# KiCad board AMC_FMC_Carrier-PcbDoc.kicad_pcb (continued)
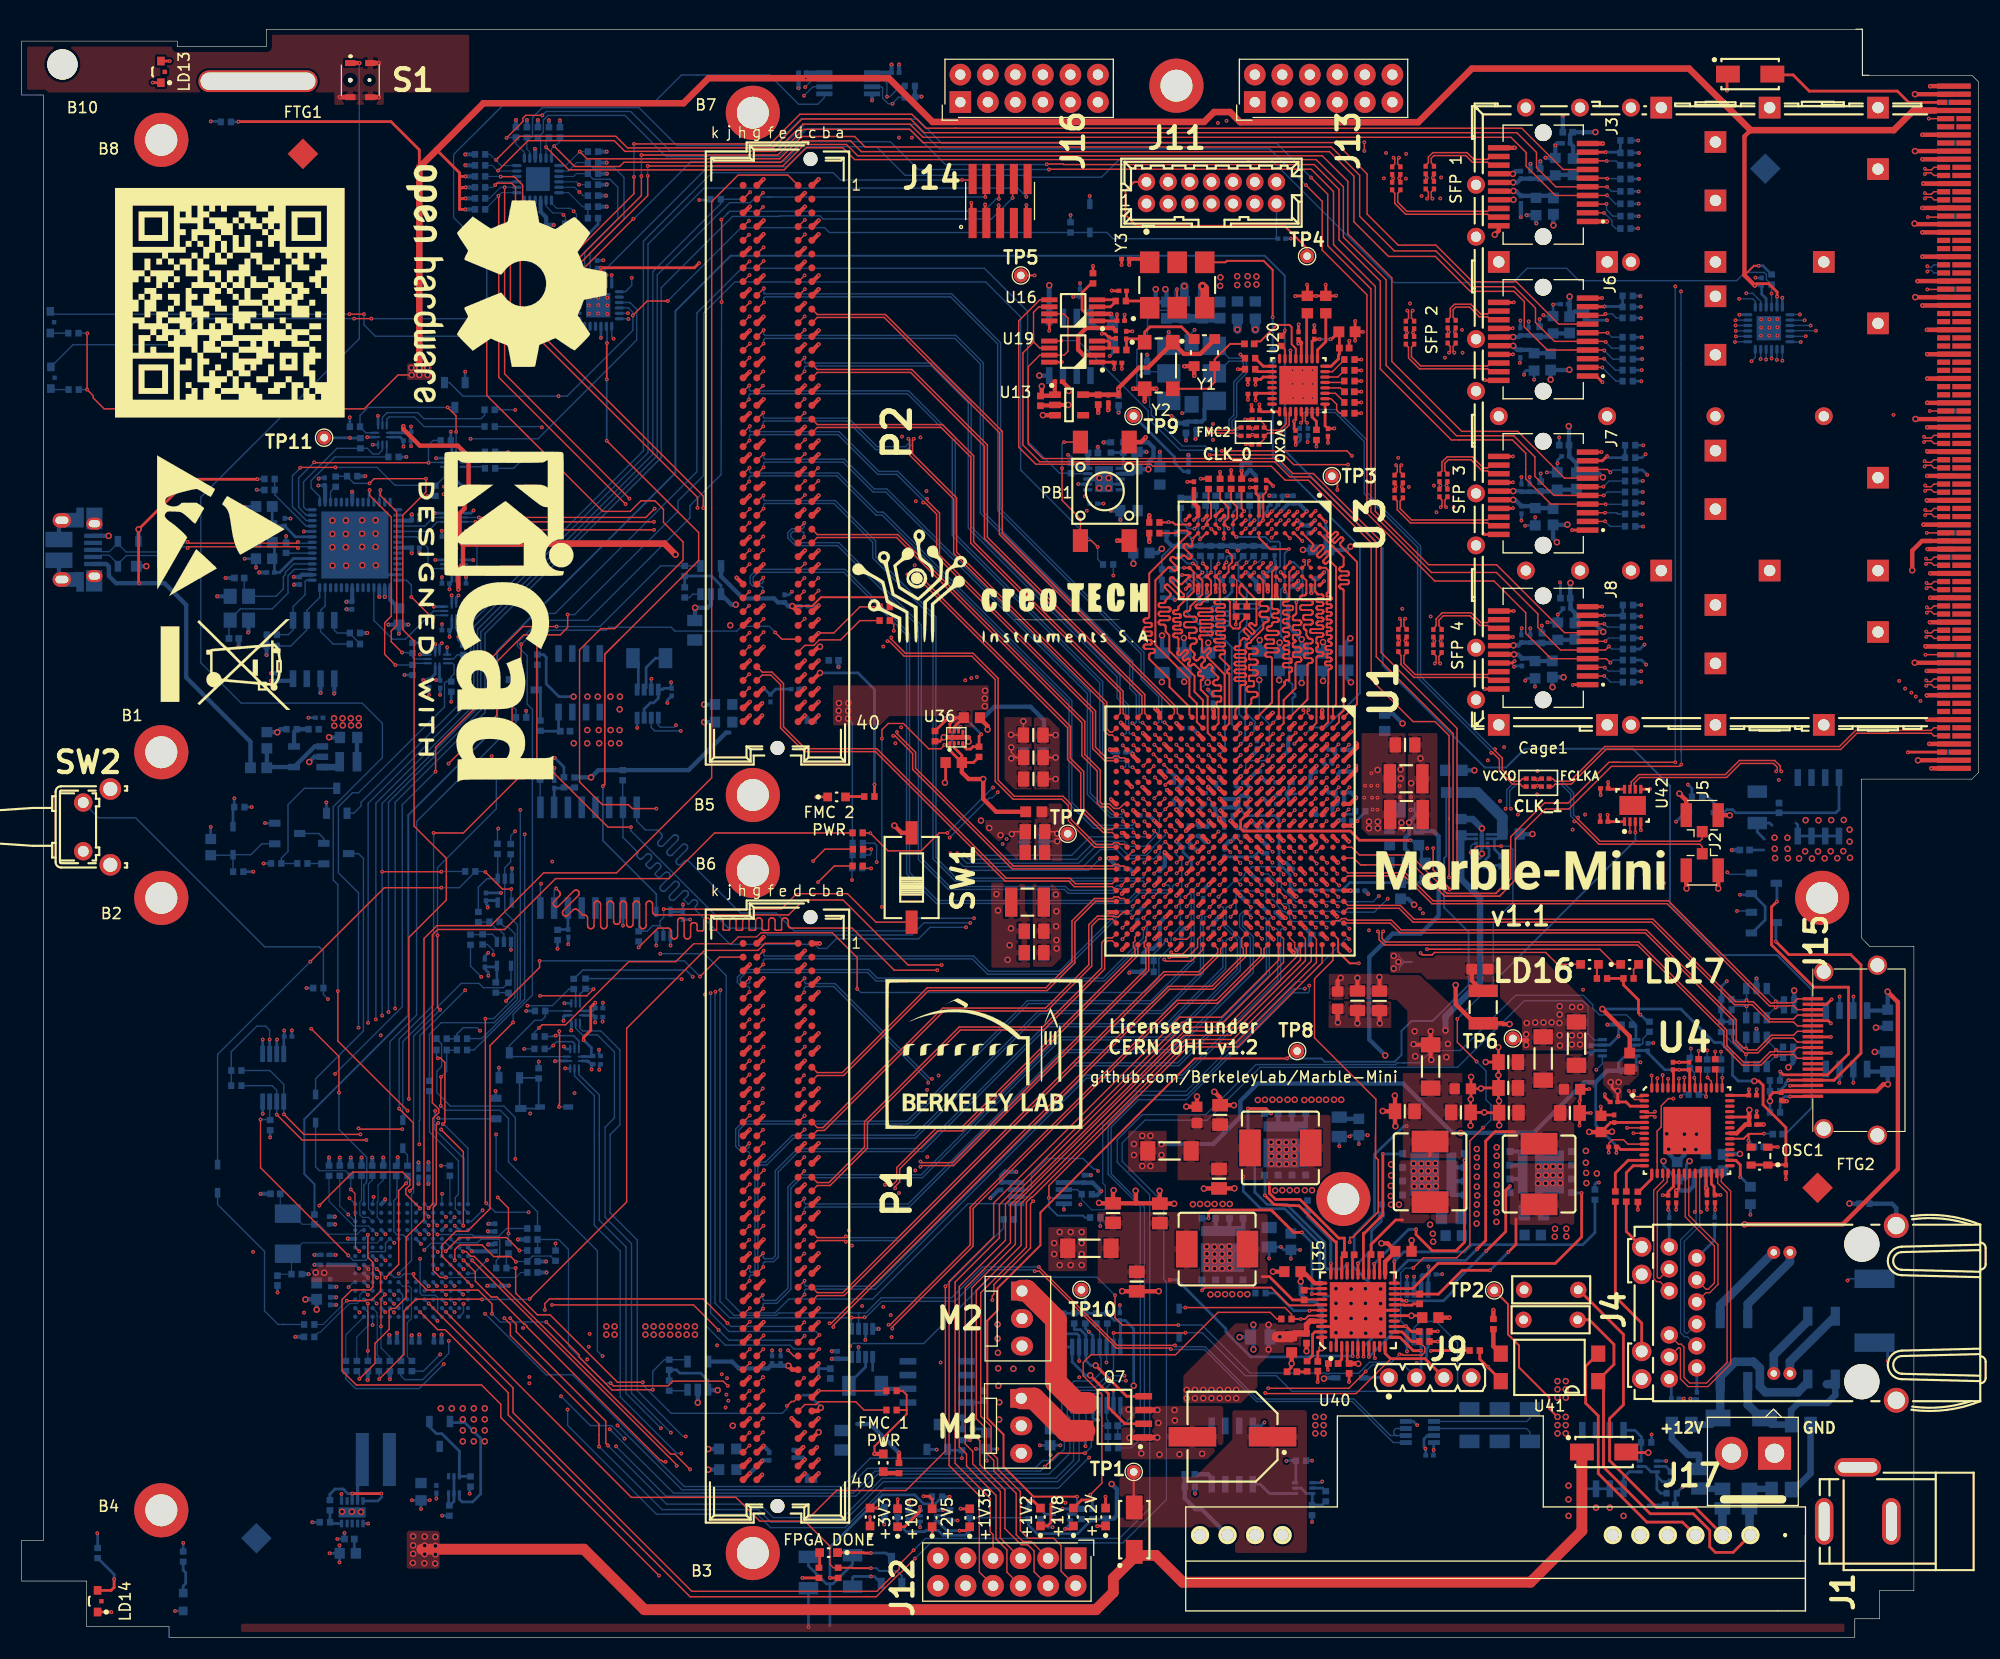
[diagram p0: board, top side]
## Routing (per net, layer and track width the routed paths; a pad name or vN(x,y) marks a point on that pad's centre or on a via; arc(x,y) is an arc through that point) (continued)
/SDRAM/DDR3_BA2: length 28.7
  Top w0.178: v1(110.95,101.46) 110.99,101.5 U3.M3 ; v1(109.57,82.44) 110.03,81.98 U1.N4
  In5.Cu w0.118: v1(109.57,82.44) 108.94,83.07 108.94,87.7 108.94,87.76 108.92,87.81 108.89,87.86 108.85,87.9 108.8,87.93 108.75,87.95 108.64,87.96 108.59,87.98 108.54,88.01 108.5,88.05 108.47,88.09 108.45,88.15 108.44,88.2 108.44,88.3 108.45,88.36 108.47,88.41 108.5,88.46 108.54,88.5 108.59,88.53 108.64,88.55 108.69,88.55 109.14,88.55 109.19,88.56 109.23,88.57 109.27,88.6 109.3,88.63 109.32,88.66 109.34,88.71 109.34,88.75 109.34,88.95 109.34,89 109.32,89.04 109.3,89.08 109.27,89.11 109.23,89.13 109.19,89.15 109.14,89.15 108.69,89.15 108.64,89.16 108.59,89.18 108.54,89.21 108.5,89.25 108.47,89.29 108.45,89.35 108.44,89.4 108.44,89.5 108.45,89.56 108.47,89.61 108.5,89.66 108.54,89.7 108.59,89.73 108.64,89.75 108.69,89.75 109.44,89.75 109.51,89.76 109.57,89.78 109.63,89.82 109.68,89.86 109.71,89.92 109.73,89.98 109.74,90.05 109.73,90.12 109.71,90.18 109.68,90.24 109.63,90.29 109.57,90.32 109.51,90.34 109.44,90.35 108.94,90.35 108.69,90.35 108.64,90.36 108.59,90.38 108.54,90.41 108.5,90.45 108.47,90.49 108.45,90.55 108.44,90.6 108.44,90.7 108.45,90.76 108.47,90.81 108.5,90.86 108.54,90.9 108.59,90.93 108.64,90.95 108.75,90.96 108.8,90.98 108.85,91.01 108.89,91.05 108.92,91.09 108.94,91.15 108.94,91.2 108.94,96.82 110.13,98 110.13,100.65 v1(110.95,101.46)
  Bottom w0.178: 110.95,101.71 v1(110.95,101.46) 110.95,102.07 110.98,102.1 110.98,103.25 111.35,103.62 111.35,104.29
/SDRAM/DDR3_DQ0: length 23.4
  Top w0.178: v1(116.41,83.4) 116.03,83.02 U1.G3 ; U3.E3 v1(117.07,101.49)
  In5.Cu w0.118: v1(116.41,83.4) 116.41,85.69 118.65,87.93 118.65,89.43 118.65,89.48 118.67,89.52 118.69,89.56 118.72,89.59 118.76,89.61 118.8,89.63 118.85,89.63 118.98,89.63 119.02,89.64 119.07,89.65 119.1,89.68 119.13,89.71 119.16,89.75 119.17,89.79 119.18,89.83 119.17,89.88 119.16,89.92 119.13,89.96 119.1,89.99 119.07,90.01 119.02,90.03 118.98,90.03 118.32,90.03 118.28,90.04 118.23,90.05 118.2,90.08 118.16,90.11 118.14,90.15 118.13,90.19 118.12,90.23 118.13,90.28 118.14,90.32 118.16,90.36 118.2,90.39 118.23,90.41 118.28,90.43 118.32,90.43 118.98,90.43 119.02,90.44 119.07,90.45 119.1,90.48 119.13,90.51 119.16,90.55 119.17,90.59 119.18,90.63 119.17,90.68 119.16,90.72 119.13,90.76 119.1,90.79 119.07,90.81 119.02,90.83 118.98,90.83 118.85,90.83 118.8,90.84 118.76,90.85 118.72,90.88 118.69,90.91 118.67,90.95 118.65,90.99 118.65,91.03 118.65,98.39 117.53,99.51 117.53,101 117.12,101.41 117.07,101.41
/SDRAM/DDR3_DQ1: length 22.7
  Top w0.178: U3.F7 115.4,98.38 115.4,95.15 115.41,95.11 115.42,95.06 115.45,95.03 115.48,94.99 115.52,94.97 115.56,94.96 115.6,94.95 115.83,94.95 115.88,94.94 115.92,94.93 115.96,94.91 115.99,94.87 116.01,94.84 116.03,94.79 116.03,94.75 116.03,94.71 116.01,94.66 115.99,94.63 115.96,94.59 115.92,94.57 115.88,94.56 115.83,94.55 115.6,94.55 115.56,94.54 115.52,94.53 115.48,94.51 115.45,94.47 115.42,94.44 115.41,94.39 115.4,94.35 115.41,94.31 115.42,94.26 115.45,94.23 115.48,94.19 115.52,94.17 115.56,94.16 115.6,94.15 115.83,94.15 115.88,94.14 115.92,94.13 115.96,94.11 115.99,94.07 116.01,94.04 116.03,93.99 116.03,93.95 116.03,93.91 116.01,93.86 115.99,93.83 115.96,93.79 115.92,93.77 115.88,93.76 115.83,93.75 115.6,93.75 115.56,93.74 115.52,93.73 115.48,93.71 115.45,93.67 115.42,93.64 115.41,93.59 115.4,93.51 115.38,93.46 115.36,93.43 115.33,93.39 115.29,93.37 115.25,93.36 115.2,93.35 115.12,93.35 115.08,93.34 115.03,93.33 115,93.31 114.97,93.27 114.94,93.24 114.93,93.19 114.92,93.15 114.93,93.11 114.94,93.06 114.97,93.03 115,92.99 115.03,92.97 115.08,92.96 115.12,92.95 115.83,92.95 115.88,92.94 115.92,92.93 115.96,92.91 115.99,92.87 116.01,92.84 116.03,92.79 116.03,92.75 116.03,92.71 116.01,92.66 115.99,92.63 115.96,92.59 115.92,92.57 115.88,92.56 115.83,92.55 114.97,92.55 114.93,92.54 114.88,92.53 114.85,92.51 114.82,92.47 114.79,92.44 114.78,92.39 114.77,92.35 114.78,92.31 114.79,92.26 114.82,92.23 114.85,92.19 114.88,92.17 114.93,92.16 114.97,92.15 115.49,92.15 115.51,92.15 115.53,92.14 115.55,92.13 115.56,92.12 115.57,92.1 115.58,92.08 115.58,92.06 115.58,91.84 115.58,91.82 115.57,91.8 115.56,91.78 115.55,91.77 115.53,91.76 115.51,91.75 115.49,91.75 114.97,91.75 114.93,91.74 114.88,91.73 114.85,91.71 114.82,91.67 114.79,91.64 114.78,91.59 114.77,91.55 114.78,91.51 114.79,91.46 114.82,91.43 114.85,91.39 114.88,91.37 114.93,91.36 114.97,91.35 115.83,91.35 115.88,91.34 115.92,91.33 115.96,91.31 115.99,91.27 116.01,91.24 116.03,91.19 116.03,91.15 116.03,91.11 116.01,91.06 115.99,91.03 115.96,90.99 115.92,90.97 115.88,90.96 115.83,90.95 114.97,90.95 114.93,90.94 114.88,90.93 114.85,90.91 114.82,90.87 114.79,90.84 114.78,90.79 114.77,90.75 114.78,90.71 114.79,90.66 114.82,90.63 114.85,90.59 114.88,90.57 114.93,90.56 114.97,90.55 115.2,90.55 115.25,90.54 115.29,90.53 115.33,90.51 115.36,90.47 115.38,90.44 115.4,90.39 115.4,90.35 115.4,86.33 U1.J1
/SDRAM/DDR3_DQ2: length 22.7
  Top w0.178: v1(115.49,82.46) 115.03,82 U1.H4 ; U3.F2 115.81,102.77 v1(116.2,103.16)
  In2.Cu w0.118: v1(115.49,82.46) 116,82.97 116,87.78 115.47,88.31 115.47,98.89 116.2,99.63 v1(116.2,103.16)
/SDRAM/DDR3_DQ3: length 22.7
  Top w0.178: v1(116.15,97.6) 115.79,97.96 U3.F8 ; U1.H5 115.03,80.96 v1(115.49,81.42)
  In5.Cu w0.118: v1(116.15,97.6) 116.15,96.16 116.18,96.13 116.18,93.7 115.01,92.53 115.01,89.07 115.01,89.03 115.03,89 115.04,88.97 115.07,88.95 115.1,88.93 115.13,88.92 115.16,88.92 115.48,88.92 115.52,88.91 115.55,88.9 115.58,88.88 115.6,88.86 115.62,88.83 115.63,88.8 115.63,88.77 115.63,88.73 115.62,88.7 115.6,88.67 115.58,88.65 115.55,88.63 115.52,88.62 115.48,88.62 114.87,88.62 114.84,88.61 114.81,88.6 114.79,88.59 114.77,88.57 114.75,88.54 114.74,88.51 114.74,88.48 114.74,88.45 114.74,88.42 114.75,88.39 114.77,88.37 114.79,88.35 114.81,88.33 114.84,88.32 114.87,88.32 115.43,88.32 115.47,88.31 115.5,88.3 115.53,88.28 115.55,88.26 115.57,88.23 115.58,88.2 115.58,88.17 115.58,88.13 115.57,88.1 115.55,88.07 115.53,88.05 115.5,88.03 115.47,88.02 115.43,88.02 114.54,88.02 114.5,88.01 114.47,88 114.44,87.98 114.42,87.96 114.4,87.93 114.39,87.9 114.39,87.87 114.39,87.83 114.4,87.8 114.42,87.77 114.44,87.75 114.47,87.73 114.5,87.72 114.54,87.72 115.48,87.72 115.52,87.71 115.55,87.7 115.58,87.68 115.6,87.66 115.62,87.63 115.63,87.6 115.63,87.57 115.63,87.53 115.62,87.5 115.6,87.47 115.58,87.45 115.55,87.43 115.52,87.42 115.48,87.42 115.16,87.42 115.13,87.41 115.1,87.4 115.07,87.38 115.04,87.36 115.03,87.33 115.01,87.3 115.01,87.27 115.01,82.45 115.49,81.97 v1(115.49,81.42)
/SDRAM/DDR3_DQ4: length 22.8
  Top w0.178: v1(115.52,84.47) 115.52,84.45 U1.H2 ; U3.H3 114.19,101.54 115.24,100.49 v1(116.96,100.49)
  Bottom w0.178: v1(115.52,84.47) 115.98,84.92 117.04,84.92 117.3,85.18 117.3,86.68 117.3,86.71 117.31,86.73 117.33,86.76 117.35,86.78 117.37,86.8 117.4,86.81 117.46,86.81 117.48,86.82 117.51,86.84 117.53,86.86 117.55,86.88 117.56,86.91 117.56,86.94 117.56,87.03 117.56,87.06 117.55,87.09 117.53,87.11 117.51,87.14 117.48,87.15 117.46,87.16 117.4,87.17 117.37,87.18 117.35,87.19 117.33,87.21 117.31,87.24 117.3,87.27 117.3,87.3 117.3,87.99 116.99,88.3 116.99,91.7 116.21,92.48 116.21,96.75 116.57,97.1 116.57,100.1 v1(116.96,100.49)
/SDRAM/DDR3_DQ5: length 22.7
  Top w0.178: U1.K1 113.03,85.79 113.49,86.26 113.49,86.56 113.5,86.62 113.52,86.67 113.55,86.72 113.59,86.76 113.63,86.79 113.69,86.81 113.74,86.81 113.84,86.81 113.89,86.82 113.95,86.84 113.99,86.87 114.03,86.91 114.06,86.96 114.08,87.01 114.09,87.06 114.08,87.12 114.06,87.17 114.03,87.22 113.99,87.26 113.95,87.29 113.89,87.31 113.84,87.31 113.27,87.31 113.22,87.32 113.17,87.34 113.13,87.36 113.09,87.4 113.07,87.44 113.05,87.49 113.04,87.54 113.04,87.59 113.05,87.64 113.07,87.69 113.09,87.73 113.13,87.77 113.17,87.79 113.22,87.81 113.27,87.81 113.62,87.81 113.64,87.82 113.67,87.83 113.69,87.84 113.71,87.86 113.73,87.88 113.74,87.91 113.74,87.94 113.74,88.19 113.74,88.22 113.73,88.24 113.71,88.27 113.69,88.29 113.67,88.3 113.64,88.31 113.62,88.31 113.39,88.31 113.37,88.32 113.35,88.32 113.33,88.34 113.32,88.35 113.3,88.37 113.3,88.39 113.29,88.41 113.29,88.72 113.3,88.74 113.3,88.76 113.32,88.78 113.33,88.79 113.35,88.8 113.37,88.81 113.39,88.81 113.84,88.81 113.89,88.82 113.95,88.84 113.99,88.87 114.03,88.91 114.06,88.96 114.08,89.01 114.09,89.06 114.08,89.12 114.06,89.17 114.03,89.22 113.99,89.26 113.95,89.29 113.89,89.31 113.84,89.31 113.39,89.31 113.37,89.32 113.35,89.32 113.33,89.34 113.32,89.35 113.3,89.37 113.3,89.39 113.29,89.41 113.29,89.72 113.3,89.74 113.3,89.76 113.32,89.78 113.33,89.79 113.35,89.8 113.37,89.81 113.39,89.81 113.84,89.81 113.89,89.82 113.95,89.84 113.99,89.87 114.03,89.91 114.06,89.96 114.08,90.01 114.09,90.06 114.08,90.12 114.06,90.17 114.03,90.22 113.99,90.26 113.95,90.29 113.89,90.31 113.84,90.31 113.39,90.31 113.37,90.32 113.35,90.32 113.33,90.34 113.32,90.35 113.3,90.37 113.3,90.39 113.29,90.41 113.29,90.72 113.3,90.74 113.3,90.76 113.32,90.78 113.33,90.79 113.35,90.8 113.37,90.81 113.39,90.81 113.84,90.81 113.89,90.82 113.95,90.84 113.99,90.87 114.03,90.91 114.06,90.96 114.08,91.01 114.09,91.06 114.08,91.12 114.06,91.17 114.03,91.22 113.99,91.26 113.95,91.29 113.89,91.31 113.84,91.31 113.49,91.31 113.49,91.32 113.27,91.32 113.22,91.32 113.17,91.34 113.13,91.36 113.09,91.4 113.07,91.44 113.05,91.49 113.04,91.54 113.04,91.59 113.05,91.64 113.07,91.69 113.09,91.73 113.13,91.77 113.17,91.79 113.22,91.81 113.32,91.82 113.36,91.84 113.41,91.86 113.44,91.9 113.47,91.94 113.49,91.99 113.49,92.04 114.6,93.15 114.6,93.49 114.61,93.54 114.63,93.59 114.66,93.64 114.7,93.68 114.74,93.71 114.8,93.73 114.91,93.74 114.96,93.76 115.01,93.79 115.05,93.83 115.07,93.88 115.09,93.93 115.1,93.98 115.1,93.99 115.09,94.04 115.07,94.09 115.05,94.14 115.01,94.18 114.96,94.21 114.91,94.23 114.85,94.23 114.43,94.23 114.39,94.24 114.35,94.25 114.32,94.27 114.29,94.3 114.27,94.33 114.26,94.37 114.26,94.41 114.26,94.56 114.26,94.6 114.27,94.64 114.29,94.67 114.32,94.7 114.35,94.72 114.39,94.73 114.43,94.73 114.85,94.73 114.91,94.74 114.96,94.76 115.01,94.79 115.05,94.83 115.07,94.88 115.09,94.93 115.1,94.98 115.1,94.99 115.09,95.04 115.07,95.09 115.05,95.14 115.01,95.18 114.96,95.21 114.91,95.23 114.85,95.23 114.6,95.23 114.6,95.24 114.43,95.24 114.39,95.24 114.35,95.25 114.32,95.27 114.29,95.3 114.27,95.33 114.26,95.37 114.26,95.41 114.26,95.56 114.26,95.6 114.27,95.64 114.29,95.67 114.32,95.7 114.35,95.72 114.39,95.73 114.47,95.74 114.5,95.75 114.54,95.77 114.56,95.8 114.59,95.83 114.6,95.87 114.6,95.91 114.6,97.56 U3.H8
/SDRAM/DDR3_DQ6: length 22.7
  Top w0.178: v1(115.52,83.45) 115.03,82.96 U1.H3 ; v1(115.39,103.16) 115,102.77 U3.G2
  In5.Cu w0.118: v1(115.39,103.16) 115.39,103.16 116.61,101.94 116.61,99.25 116.92,98.94 116.92,89.67 116.92,89.62 116.94,89.58 116.96,89.54 116.99,89.51 117.03,89.49 117.07,89.47 117.12,89.47 117.15,89.47 117.2,89.46 117.24,89.45 117.28,89.42 117.31,89.39 117.33,89.35 117.35,89.31 117.35,89.27 117.35,89.22 117.33,89.18 117.31,89.14 117.28,89.11 117.24,89.09 117.2,89.07 117.15,89.07 117.12,89.07 117.07,89.06 117.03,89.05 116.99,89.02 116.96,88.99 116.94,88.95 116.92,88.91 116.92,88.87 116.92,87.98 116.1,87.16 116.1,84.04 v1(115.52,83.45)
/SDRAM/DDR3_DQ7: length 22.7
  Top w0.178: v1(114.5,81.39) 114.07,80.96 U1.J5 ; U3.H7 114.58,99.16 v1(114.58,99.22)
  In5.Cu w0.118: v1(114.5,81.39) 114.22,81.68 113.86,81.68 113.43,82.1 113.28,82.1 112.93,82.45 112.93,95.92 113.02,96.01 113.04,96.03 113.07,96.05 113.11,96.06 113.14,96.06 113.17,96.05 113.2,96.03 113.23,96.01 113.43,95.81 113.46,95.79 113.49,95.78 113.52,95.77 113.55,95.77 113.58,95.78 113.62,95.79 113.64,95.81 113.66,95.84 113.68,95.87 113.68,95.9 113.68,95.94 113.68,95.97 113.66,96 113.64,96.03 113.14,96.53 113.12,96.56 113.1,96.59 113.09,96.62 113.09,96.65 113.1,96.69 113.12,96.72 113.14,96.74 113.16,96.76 113.19,96.78 113.23,96.79 113.26,96.79 113.29,96.78 113.32,96.76 113.35,96.74 113.44,96.65 113.47,96.63 113.5,96.61 113.53,96.61 113.56,96.61 113.6,96.61 113.63,96.63 113.65,96.65 114.96,97.96 114.96,98.84 v1(114.58,99.22)
/SDRAM/DDR3_DQ8: length 22.7
  Top w0.178: U1.G1 116.03,87.42 116.57,87.96 116.59,87.98 116.6,88 116.6,88.02 116.6,88.04 116.6,88.07 116.59,88.09 116.56,88.12 116.55,88.14 116.55,88.16 116.55,88.18 116.55,88.21 116.56,88.23 116.57,88.24 116.72,88.39 116.74,88.4 116.76,88.41 116.78,88.42 116.8,88.42 116.82,88.41 116.84,88.4 116.88,88.38 116.9,88.37 116.92,88.36 116.94,88.36 116.96,88.37 116.98,88.38 117,88.39 117,89.04 117.01,89.07 117.01,89.1 117.03,89.12 117.05,89.14 117.07,89.16 117.1,89.16 117.15,89.17 117.18,89.18 117.2,89.19 117.22,89.21 117.24,89.24 117.25,89.26 117.25,89.29 117.25,89.45 117.25,89.48 117.24,89.5 117.22,89.53 117.2,89.55 117.18,89.56 117.15,89.57 117.13,89.57 116.61,89.57 116.56,89.58 116.52,89.59 116.48,89.62 116.45,89.65 116.42,89.69 116.41,89.73 116.4,89.78 116.41,89.82 116.42,89.86 116.45,89.9 116.48,89.94 116.52,89.96 116.56,89.97 116.61,89.98 117.1,89.98 117.12,89.98 117.14,89.99 117.16,90 117.18,90.02 117.19,90.04 117.2,90.06 117.2,90.08 117.2,90.29 117.2,90.31 117.19,90.33 117.18,90.35 117.16,90.36 117.14,90.38 117.12,90.38 117.1,90.39 116.61,90.39 116.56,90.39 116.52,90.41 116.48,90.43 116.45,90.46 116.42,90.5 116.41,90.54 116.4,90.59 116.41,90.63 116.42,90.68 116.45,90.72 116.48,90.75 116.52,90.77 116.56,90.79 116.61,90.79 116.8,90.79 116.84,90.8 116.89,90.81 116.93,90.84 116.96,90.87 116.98,90.91 117,90.95 117,90.99 117,91.04 116.98,91.08 116.96,91.12 116.93,91.15 116.89,91.18 116.84,91.19 116.8,91.2 116.66,91.2 116.61,91.2 116.57,91.22 116.53,91.24 116.5,91.27 116.47,91.31 116.46,91.36 116.45,91.4 116.46,91.45 116.47,91.49 116.5,91.53 116.53,91.56 116.57,91.58 116.61,91.6 116.66,91.6 116.8,91.6 116.84,91.61 116.89,91.62 116.93,91.65 116.96,91.68 116.98,91.72 117,91.76 117,91.81 117,91.85 116.98,91.89 116.96,91.93 116.93,91.97 116.89,91.99 116.84,92 116.8,92.01 116.71,92.01 116.66,92.01 116.62,92.03 116.58,92.05 116.55,92.09 116.52,92.12 116.51,92.17 116.5,92.21 116.51,92.26 116.52,92.3 116.55,92.34 116.58,92.37 116.62,92.4 116.66,92.41 116.71,92.42 116.8,92.42 116.84,92.42 116.89,92.44 116.93,92.46 116.96,92.49 116.98,92.53 117,92.57 117,92.62 117,92.66 116.98,92.71 116.96,92.75 116.93,92.78 116.89,92.8 116.84,92.82 116.8,92.82 116.61,92.82 116.56,92.83 116.52,92.84 116.48,92.87 116.45,92.9 116.42,92.94 116.41,92.98 116.4,93.02 116.41,93.07 116.42,93.11 116.45,93.15 116.48,93.18 116.52,93.21 116.56,93.22 116.61,93.23 116.8,93.23 116.84,93.23 116.89,93.25 116.93,93.27 116.96,93.3 116.98,93.34 117,93.39 117,93.43 117,93.48 116.98,93.52 116.96,93.56 116.93,93.59 116.89,93.61 116.84,93.63 116.8,93.63 116.61,93.63 116.56,93.64 116.52,93.65 116.48,93.68 116.45,93.71 116.42,93.75 116.41,93.79 116.4,93.84 116.41,93.88 116.42,93.92 116.45,93.96 116.48,94 116.52,94.02 116.56,94.03 116.61,94.04 116.8,94.04 116.84,94.04 116.89,94.06 116.93,94.08 116.96,94.12 116.98,94.15 117,94.2 117,94.24 117,94.29 116.98,94.33 116.96,94.37 116.93,94.4 116.89,94.43 116.84,94.44 116.8,94.45 116.61,94.45 116.56,94.45 116.52,94.47 116.48,94.49 116.45,94.52 116.42,94.56 116.41,94.6 116.4,94.65 116.41,94.69 116.42,94.74 116.45,94.78 116.48,94.81 116.52,94.83 116.56,94.85 116.61,94.85 117.18,94.85 117.22,94.86 117.25,94.87 117.29,94.89 117.31,94.92 117.33,94.95 117.35,94.99 117.35,95.03 117.35,95.08 117.35,95.12 117.33,95.16 117.31,95.19 117.29,95.22 117.25,95.24 117.22,95.25 117.18,95.26 116.61,95.26 116.56,95.26 116.52,95.28 116.48,95.3 116.45,95.33 116.42,95.37 116.41,95.42 116.4,95.46 116.41,95.51 116.42,95.55 116.45,95.59 116.48,95.62 116.52,95.64 116.56,95.66 116.61,95.66 116.8,95.66 116.84,95.67 116.89,95.68 116.93,95.71 116.96,95.74 116.98,95.78 117,95.82 117,95.87 117,98.38 U3.D7
/SDRAM/DDR3_DQ9: length 22.7
  Top w0.178: U1.B1 121.03,85.85 121.31,86.13 121.31,98.84 120.85,99.31 120.82,99.34 120.78,99.36 120.73,99.37 120.69,99.37 120.64,99.36 120.6,99.34 120.57,99.31 120.47,99.22 120.44,99.19 120.4,99.17 120.36,99.16 120.31,99.16 120.27,99.17 120.23,99.19 120.19,99.22 120.16,99.25 120.14,99.29 120.13,99.33 120.13,99.38 120.14,99.42 120.16,99.46 120.19,99.5 120.66,99.97 120.69,100 120.71,100.04 120.72,100.09 120.72,100.13 120.71,100.17 120.69,100.22 120.66,100.25 120.63,100.28 120.59,100.3 120.54,100.31 120.5,100.31 120.45,100.3 120.41,100.28 120.38,100.25 119.91,99.78 119.87,99.75 119.83,99.73 119.79,99.72 119.74,99.72 119.7,99.73 119.66,99.75 119.63,99.78 119.6,99.82 119.58,99.86 119.57,99.9 119.57,99.94 119.58,99.99 119.6,100.03 119.63,100.06 120.1,100.53 120.12,100.57 120.14,100.61 120.15,100.65 120.15,100.7 120.14,100.74 120.12,100.78 120.1,100.82 120.06,100.84 120.02,100.86 119.98,100.87 119.93,100.87 119.89,100.86 119.85,100.84 119.81,100.82 119.34,100.35 119.31,100.32 119.27,100.3 119.22,100.29 119.18,100.29 119.14,100.3 119.1,100.32 119.06,100.35 119.03,100.38 119.01,100.42 119,100.47 119,100.51 119.01,100.55 119.03,100.59 119.06,100.63 119.15,100.72 119.18,100.76 119.2,100.8 119.21,100.84 119.21,100.89 119.2,100.93 119.18,100.97 119.15,101.01 U3.C3
/SDRAM/DDR3_DQ10: length 22.7
  Top w0.178: U3.C8 118.58,97.58 118.58,96.44 118.57,96.39 118.56,96.34 118.53,96.3 118.5,96.27 118.45,96.24 118.41,96.22 118.36,96.22 118.21,96.22 118.16,96.21 118.11,96.2 118.07,96.17 118.03,96.13 118.01,96.09 117.99,96.04 117.98,95.99 117.99,95.94 118.01,95.89 118.03,95.85 118.07,95.82 118.11,95.79 118.16,95.77 118.21,95.77 118.95,95.77 119,95.76 119.05,95.75 119.09,95.72 119.13,95.68 119.15,95.64 119.17,95.59 119.18,95.54 119.17,95.49 119.15,95.44 119.13,95.4 119.09,95.37 119.05,95.34 119,95.32 118.95,95.32 118.21,95.32 118.16,95.31 118.11,95.3 118.07,95.27 118.03,95.23 118.01,95.19 117.99,95.14 117.98,95.09 117.99,95.04 118.01,94.99 118.03,94.95 118.07,94.92 118.11,94.89 118.16,94.87 118.21,94.87 118.95,94.87 119,94.86 119.05,94.85 119.09,94.82 119.13,94.78 119.15,94.74 119.17,94.69 119.18,94.64 119.17,94.59 119.15,94.54 119.13,94.5 119.09,94.47 119.05,94.44 119,94.42 118.95,94.42 118.43,94.42 118.4,94.41 118.37,94.4 118.34,94.39 118.32,94.36 118.3,94.33 118.29,94.3 118.28,94.27 118.28,94.12 118.29,94.08 118.3,94.05 118.32,94.02 118.34,94 118.37,93.98 118.4,93.97 118.43,93.97 118.95,93.97 119,93.96 119.05,93.95 119.09,93.92 119.13,93.88 119.15,93.84 119.17,93.79 119.18,93.74 119.17,93.69 119.15,93.64 119.13,93.6 119.09,93.57 119.05,93.54 119,93.52 118.95,93.52 118.46,93.52 118.43,93.51 118.4,93.51 118.38,93.49 118.36,93.47 118.35,93.45 118.34,93.42 118.33,93.39 118.33,93.19 118.34,93.16 118.35,93.14 118.36,93.11 118.38,93.09 118.4,93.08 118.43,93.07 118.48,93.06 118.51,93.06 118.53,93.04 118.55,93.02 118.57,93 118.58,92.97 118.58,92.94 118.58,92.54 118.68,92.44 118.69,92.39 118.7,92.35 118.73,92.3 118.76,92.27 118.81,92.24 118.85,92.22 118.9,92.22 118.95,92.22 119,92.21 119.05,92.2 119.09,92.17 119.13,92.13 119.15,92.09 119.17,92.04 119.18,91.99 119.17,91.94 119.15,91.9 119.13,91.85 119.09,91.82 119.05,91.79 119,91.77 118.95,91.77 118.53,91.77 118.5,91.77 118.47,91.75 118.44,91.74 118.42,91.71 118.4,91.69 118.39,91.65 118.38,91.62 118.38,91.47 118.39,91.43 118.4,91.4 118.42,91.37 118.44,91.35 118.47,91.33 118.5,91.32 118.53,91.32 118.95,91.32 119,91.31 119.05,91.3 119.09,91.27 119.13,91.23 119.15,91.19 119.17,91.14 119.18,91.09 119.17,91.04 119.15,91 119.13,90.95 119.09,90.92 119.05,90.89 119,90.87 118.95,90.87 118.53,90.87 118.5,90.87 118.47,90.85 118.44,90.84 118.42,90.81 118.4,90.79 118.39,90.75 118.38,90.72 118.38,90.57 118.39,90.53 118.4,90.5 118.42,90.47 118.44,90.45 118.47,90.43 118.5,90.42 118.53,90.42 118.95,90.42 119,90.41 119.05,90.4 119.09,90.37 119.13,90.33 119.15,90.29 119.17,90.24 119.18,90.19 119.17,90.14 119.15,90.1 119.13,90.05 119.09,90.02 119.05,89.99 119,89.97 118.95,89.97 118.9,89.97 118.85,89.96 118.81,89.95 118.76,89.92 118.73,89.88 118.7,89.84 118.69,89.79 118.68,89.74 118.68,86.61 U1.F1
/SDRAM/DDR3_DQ11: length 22.7
  Top w0.178: U1.F3 117.03,82.96 v1(117.6,83.53) ; v1(117.75,102.35) 118.17,102.77 U3.C2
  In2.Cu w0.118: v1(117.75,102.35) 117.75,99.16 117.41,98.81 117.41,95.84 117.13,95.57 117.13,94.91 117.13,94.87 117.11,94.83 117.09,94.79 117.06,94.76 117.02,94.73 116.98,94.72 116.93,94.71 116.88,94.71 116.84,94.71 116.8,94.69 116.76,94.67 116.73,94.64 116.7,94.6 116.69,94.56 116.68,94.51 116.69,94.47 116.7,94.43 116.73,94.39 116.76,94.36 116.8,94.33 116.84,94.32 116.88,94.31 117.38,94.31 117.43,94.31 117.47,94.29 117.51,94.27 117.54,94.24 117.56,94.2 117.58,94.16 117.58,94.11 117.58,94.07 117.56,94.03 117.54,93.99 117.51,93.96 117.47,93.93 117.43,93.92 117.38,93.91 116.88,93.91 116.84,93.91 116.8,93.89 116.76,93.87 116.73,93.84 116.7,93.8 116.69,93.76 116.68,93.71 116.69,93.67 116.7,93.63 116.73,93.59 116.76,93.56 116.8,93.53 116.84,93.52 116.88,93.51 116.93,93.51 116.98,93.51 117.02,93.49 117.06,93.47 117.09,93.44 117.11,93.4 117.13,93.36 117.13,93.31 117.13,84.24 117.6,83.78 v1(117.6,83.53)
/SDRAM/DDR3_DQ12: length 22.7
  Top w0.178: U3.A7 120.35,98.77 120.6,98.51 120.6,96.55 120.6,96.53 120.6,96.51 120.59,96.5 120.58,96.49 120.56,96.48 120.55,96.47 120.51,96.47 120.5,96.46 120.48,96.45 120.47,96.44 120.46,96.43 120.46,96.41 120.45,96.4 120.45,96.19 120.46,96.17 120.46,96.16 120.47,96.14 120.48,96.13 120.5,96.12 120.51,96.12 120.53,96.12 120.75,96.12 120.79,96.11 120.82,96.1 120.85,96.08 120.87,96.06 120.89,96.03 120.9,96 120.9,95.97 120.9,95.91 120.9,95.88 120.89,95.84 120.87,95.82 120.85,95.79 120.82,95.77 120.79,95.76 120.75,95.76 120.53,95.76 120.51,95.76 120.5,95.75 120.48,95.74 120.47,95.73 120.46,95.72 120.46,95.7 120.45,95.68 120.45,95.48 120.46,95.46 120.46,95.45 120.47,95.43 120.48,95.42 120.5,95.41 120.51,95.41 120.53,95.4 120.75,95.4 120.79,95.4 120.82,95.39 120.85,95.37 120.87,95.35 120.89,95.32 120.9,95.29 120.9,95.25 120.9,95.2 120.9,95.16 120.89,95.13 120.87,95.1 120.85,95.08 120.82,95.06 120.79,95.05 120.75,95.05 120.53,95.05 120.51,95.05 120.5,95.04 120.48,95.03 120.47,95.02 120.46,95 120.46,94.99 120.45,94.97 120.45,94.77 120.46,94.75 120.46,94.73 120.47,94.72 120.48,94.71 120.5,94.7 120.51,94.69 120.53,94.69 120.75,94.69 120.79,94.69 120.82,94.68 120.85,94.66 120.87,94.63 120.89,94.61 120.9,94.57 120.9,94.54 120.9,94.49 120.9,94.45 120.89,94.42 120.87,94.39 120.85,94.37 120.82,94.35 120.79,94.34 120.75,94.34 120.53,94.34 120.51,94.33 120.5,94.33 120.48,94.32 120.47,94.31 120.46,94.29 120.46,94.28 120.45,94.26 120.45,94.05 120.46,94.04 120.46,94.02 120.47,94.01 120.48,94 120.5,93.99 120.51,93.98 120.53,93.98 120.75,93.98 120.79,93.98 120.82,93.96 120.85,93.95 120.87,93.92 120.89,93.89 120.9,93.86 120.9,93.83 120.9,93.77 120.9,93.74 120.89,93.71 120.87,93.68 120.85,93.66 120.82,93.64 120.79,93.63 120.75,93.62 120.53,93.62 120.51,93.62 120.5,93.62 120.48,93.61 120.47,93.6 120.46,93.58 120.46,93.57 120.45,93.55 120.45,93.34 120.46,93.33 120.46,93.31 120.47,93.3 120.48,93.28 120.5,93.27 120.51,93.27 120.53,93.27 120.75,93.27 120.79,93.26 120.82,93.25 120.85,93.23 120.87,93.21 120.89,93.18 120.9,93.15 120.9,93.12 120.9,93.06 120.9,93.03 120.89,93 120.87,92.97 120.85,92.94 120.82,92.93 120.79,92.92 120.75,92.91 120.53,92.91 120.51,92.91 120.5,92.9 120.48,92.89 120.47,92.88 120.46,92.87 120.46,92.85 120.45,92.84 120.45,92.63 120.46,92.61 120.46,92.6 120.47,92.58 120.48,92.57 120.5,92.56 120.51,92.56 120.53,92.56 120.75,92.56 120.79,92.55 120.82,92.54 120.85,92.52 120.87,92.5 120.89,92.47 120.9,92.44 120.9,92.41 120.9,92.35 120.9,92.32 120.89,92.28 120.87,92.26 120.85,92.23 120.82,92.21 120.79,92.2 120.72,92.2 120.69,92.18 120.66,92.17 120.64,92.14 120.62,92.11 120.61,92.08 120.6,92.05 120.61,92.02 120.62,91.98 120.64,91.96 120.66,91.93 120.69,91.91 120.72,91.9 120.79,91.9 120.82,91.88 120.85,91.87 120.87,91.84 120.89,91.81 120.9,91.78 120.9,91.75 120.9,91.69 120.9,91.66 120.89,91.63 120.87,91.6 120.85,91.58 120.82,91.56 120.79,91.55 120.75,91.54 120.48,91.54 120.45,91.54 120.43,91.53 120.4,91.52 120.38,91.5 120.37,91.47 120.36,91.45 120.35,91.42 120.35,91.31 120.36,91.28 120.37,91.26 120.38,91.23 120.4,91.21 120.43,91.2 120.45,91.19 120.48,91.19 120.75,91.19 120.79,91.18 120.82,91.17 120.85,91.15 120.87,91.13 120.89,91.1 120.9,91.07 120.9,91.04 120.9,90.98 120.9,90.95 120.89,90.92 120.87,90.89 120.85,90.86 120.82,90.85 120.79,90.84 120.75,90.83 120.53,90.83 120.51,90.83 120.5,90.82 120.48,90.81 120.47,90.8 120.46,90.79 120.46,90.77 120.45,90.76 120.45,90.55 120.46,90.53 120.46,90.52 120.47,90.5 120.48,90.49 120.5,90.48 120.51,90.48 120.53,90.48 120.75,90.48 120.79,90.47 120.82,90.46 120.85,90.44 120.87,90.42 120.89,90.39 120.9,90.36 120.9,90.33 120.9,90.27 120.9,90.24 120.89,90.2 120.87,90.18 120.85,90.15 120.82,90.13 120.79,90.12 120.75,90.12 120.45,90.12 120.42,90.12 120.39,90.1 120.36,90.09 120.34,90.06 120.32,90.03 120.31,90 120.3,89.97 120.3,89.91 120.31,89.88 120.32,89.85 120.34,89.82 120.36,89.8 120.39,89.78 120.42,89.77 120.45,89.76 120.75,89.76 120.79,89.76 120.82,89.75 120.85,89.73 120.87,89.71 120.89,89.68 120.9,89.65 120.9,89.61 120.9,89.56 120.9,89.52 120.89,89.49 120.87,89.46 120.85,89.44 120.82,89.42 120.79,89.41 120.72,89.4 120.69,89.39 120.66,89.37 120.64,89.35 120.62,89.32 120.61,89.29 120.6,89.26 120.6,88.08 120.59,88.07 120.59,84.52 U1.C2